# Altium PCB PCB1.PcbDoc (part 1 of 2) (continued)
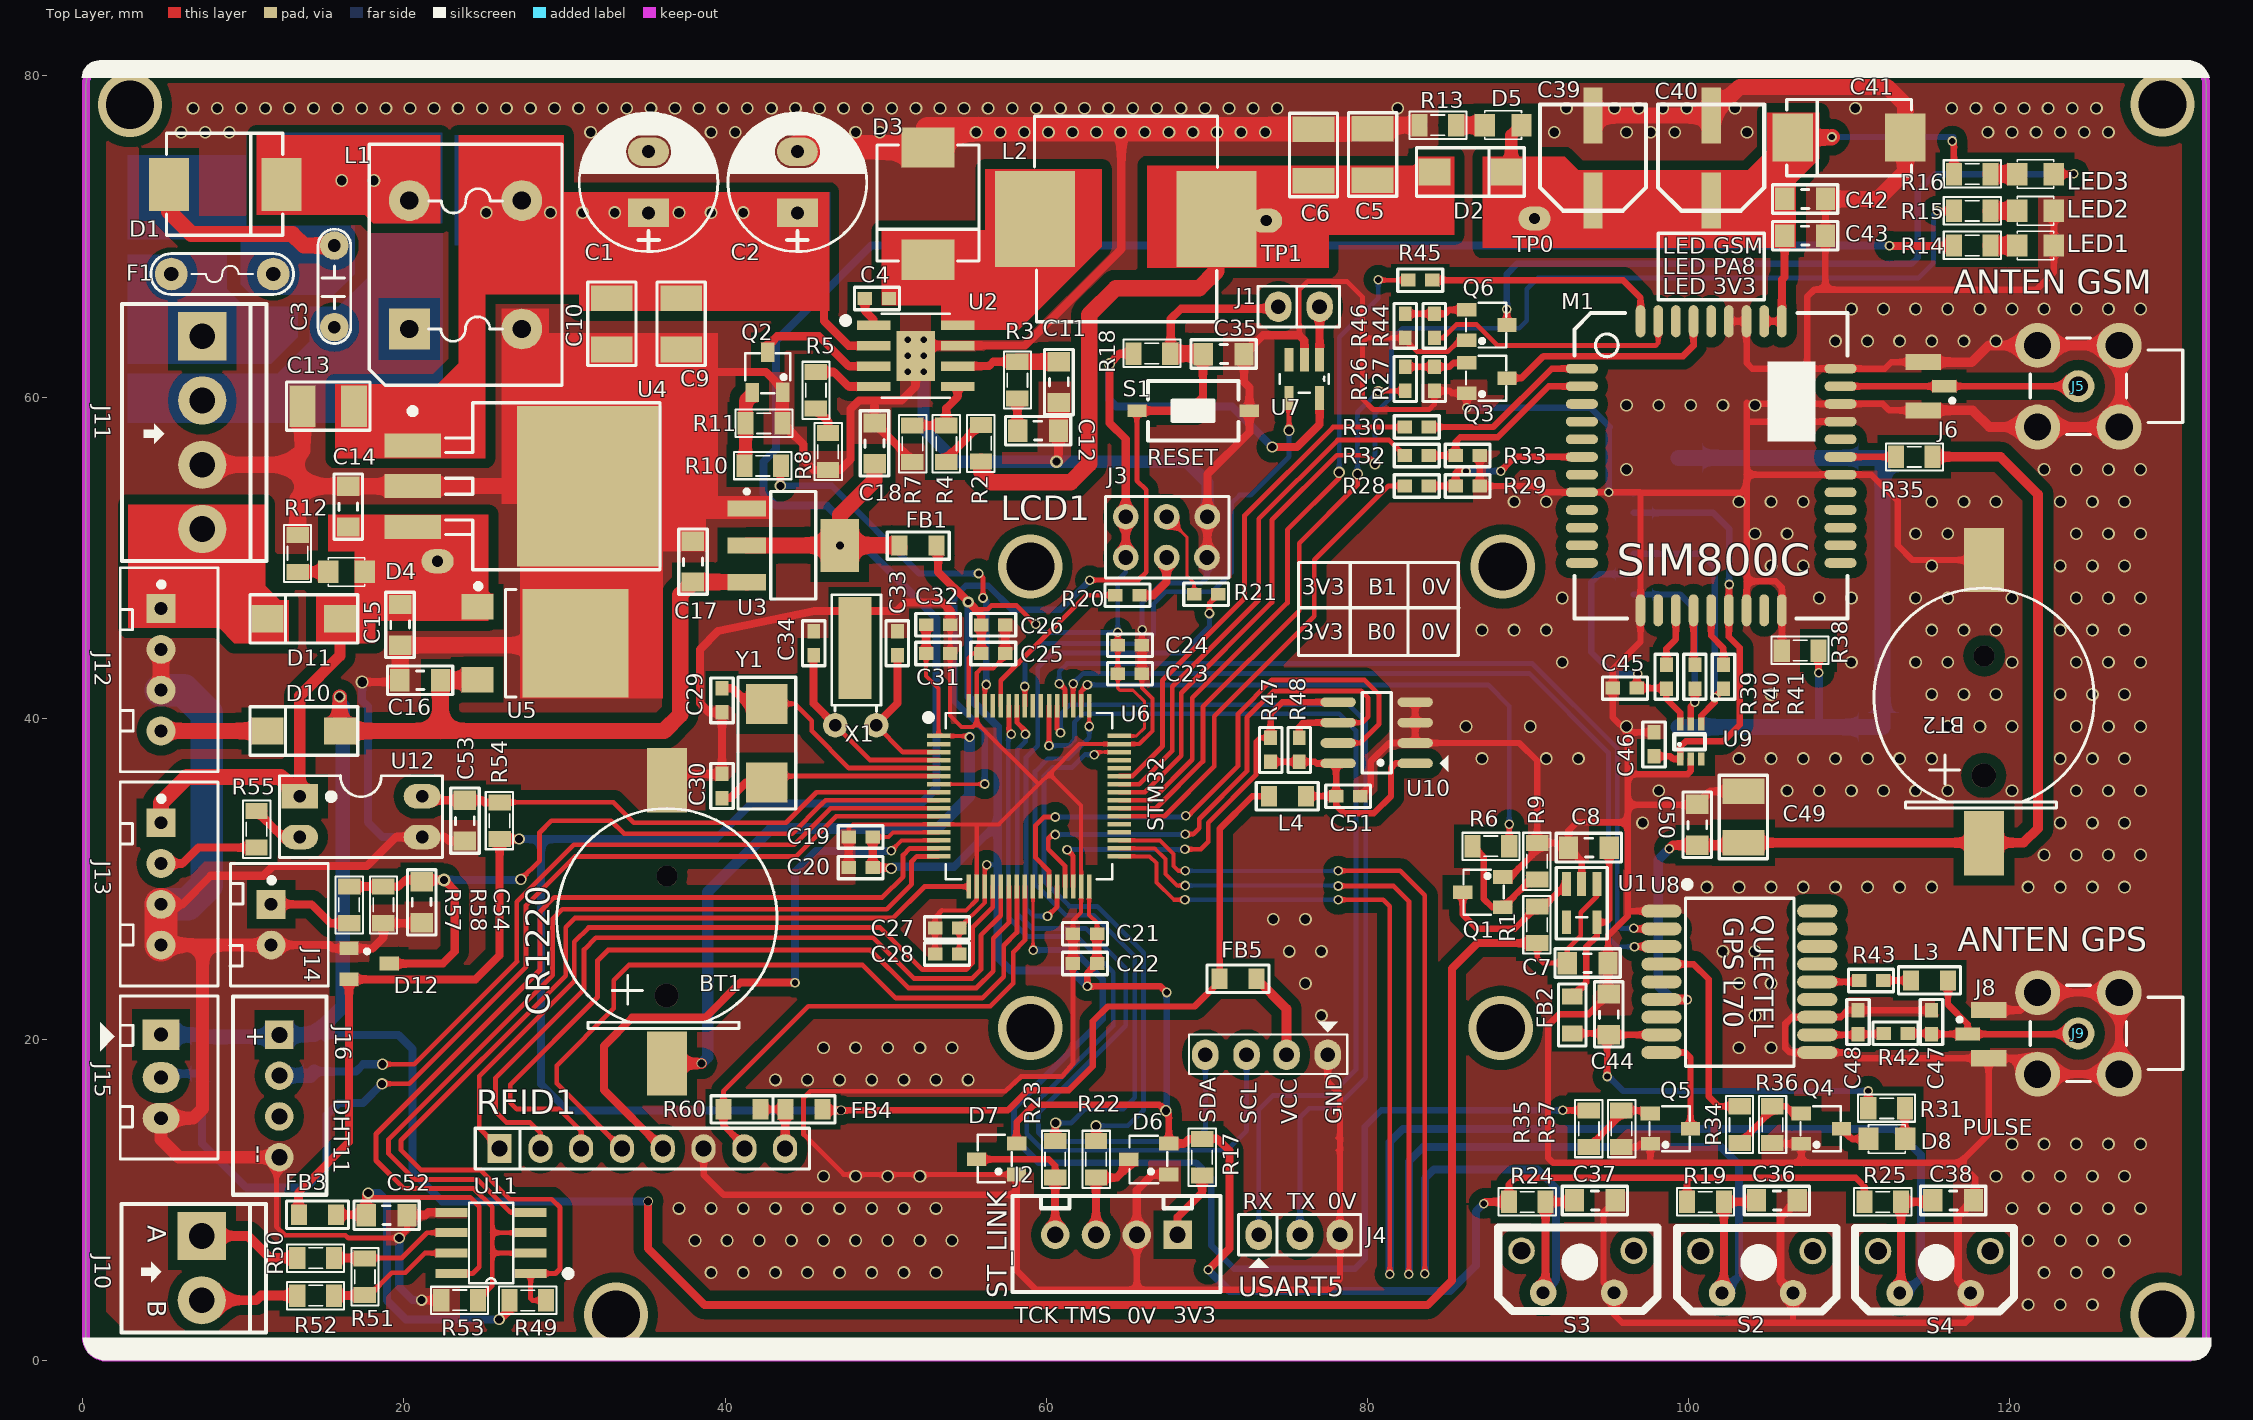
[diagram p0: Top Layer view]
## Components (designator, comment, footprint, x,y, rotation, side; value= is the part's Value field where it differs from the comment) (continued)

## Footprints (in the part's own frame and the unit in brackets; to place one, negate y for a bottom-side part, rotate by r counter-clockwise, add the part's x,y. Pads: shape width x height; smd on the part's side, far side on the other; paste and mask are expansions set on the pad)
ABM7_v1_1_BIG [mm]
  rect 2.5x2.6 smd: 1(-2.45,0) 2(2.45,0)
  silkscreen extent -4.1,-1.8 4.1,1.8, body extent -3.1,-1.85 3.1,1.85, height 1.45
Antenna-IPEX [mm]
  rect 0.8x1.5 smd: 1(0,-1.3)
  rect 1x2.2 smd: 2(-1.5,0) 2(1.5,0)
  silkscreen extent -1.02,-1.92 -0.78,-1.68, body extent -1.5,-1.55 1.5,1.55, height 1.25
Antenna-MCX5.08-H5 [mm]
  round 2 hole 1.2: 1(0,0)
  round 2.8 hole 1.7: 2(-2.54,2.54) 2(-2.54,-2.54) 2(2.54,2.54) 2(2.54,-2.54)
  silkscreen extent -6.5,-3 3,3, body extent -11.6,-3.5 3.5,3.5, height 9.86
"BUTTON NGHIENG" [mil] "BUTTON NGHIENG"
  round 65 hole 43.31: 0(-123,93) 0(152,93)
  round 65 hole 31.5: 1(-70,-10) 2(104,-10)
  silkscreen extent -180,-55 210,150, body extent -150,-348 180,200, height 494
"C0603 SMT" [mm]
  rect 0.9x0.8 smd: 1(-0.75,0) 2(0.75,0)
  silkscreen extent -1.4,-0.7 1.4,0.7, body extent -0.8,-0.42 0.8,0.44, height 0.95
C0805 [mm]
  rect 1x1.27 smd: 1(0,0) 2(2.3,0)
  silkscreen extent -0.78,-0.85 3.08,0.85, body extent 0.14,-0.62 2.14,0.63, height 0.6
C_7343_40 [mm]
  rect 2.5x3 smd: 1(0,0) 2(7,0)
  silkscreen extent -0.38,-2.39 7.39,2.36, body extent -0.3,-2.3 7.3,2.3, height 4
C_Alu_6.3x7.7 [mm]
  rect 1.2x3.5 smd: 1(0,0) 2(0,-5.3)
  silkscreen extent -3.3,-5.97 3.3,0.64, body extent -3.3,-6.17 3.3,0.83, height 3.91
CAP_0805 [mm]
  rect 1.2x1.4 smd: 1(-1.27,-0.025) 2(1.27,-0.025)
  silkscreen extent -2.03,-0.91 2.03,0.86, body extent -1.01,-0.66 1.01,0.61, height 0.61
CN2 [mil]
  round 70 hole 31: 1(0,0) 2(200,0)
  silkscreen extent -40,-40 240,40, body extent -54,-44 260,55, height 407
CON_2.54mm_2 [mm]
  rect 1.8x1.8 hole 0.8: 1(0,0)
  round 1.8 hole 0.8: 2(2.54,0)
  silkscreen extent -2.54,-2.57 5.08,3.56, body extent -2.45,-2.2 5.05,3.55, height 7
CON_2.54mm_4 [mm]
  rect 1.8x1.8 hole 0.8: 1(0,0)
  round 1.8 hole 0.8: 2(2.54,0) 3(5.08,0) 4(7.62,0)
  silkscreen extent -2.54,-2.54 10.16,3.56, body extent -2.4,-2.25 10,3.5, height 7
CON_4P [mil]
  rect 70x70 hole 39.37 unplated: 1(0,0)
  round 70 hole 39.37 unplated: 2(100,0) 3(200,0)
  round 70 hole 39.37 unplated mask+4: 4(300,0)
  silkscreen extent -105,-95 405,140, body extent -96,-90 396,134, height 276
CP1.5/3.4 [mil] "Tu hoa 220->470uF,16V, 470uF/16V,25V"
  rect 70x100 hole 32: 1(0,0)
  oval 70x100 hole 32: 2(150,0)
  silkscreen extent -95,-170 245,170, body extent -85,-157 230,157, height 446
"CR1220 SMD" [mm] "CR1220  HOLDER SMD"
  rect 2.5x4 smd: 1(7.722,-1.245) 2(7.722,16.383)
  silkscreen extent 0.87,0.94 14.58,14.63, body extent 0.34,-2.31 15.09,16.89, height 4.55
DDA8_3P1X2P4-M [mm]
  rect 2.083x0.584 smd: 1(-2.616,1.905) 2(-2.616,0.635) 3(-2.616,-0.635) 4(-2.616,-1.905) 5(2.616,-1.905) 6(2.616,-0.635) 7(2.616,0.635) 8(2.616,1.905)
  round 0.8 hole 0.4: 9(-0.5,-1) 9(-0.5,0) 9(-0.5,1) 9(0.5,-1) 9(0.5,0) 9(0.5,1)
  rect 2.4x3.1 smd: 9(0,0)
  silkscreen extent -2.12,-2.62 2.12,2.62, body extent -3.1,-2.49 3.1,2.49, height 1.68
DHT11 [mil]
  rect 70x70 hole 39.37 unplated: 1(0,0)
  round 70 hole 39.37 unplated: 2(100,0) 3(200,0)
  round 70 hole 39.37 unplated mask+4: 4(300,0)
  silkscreen extent -94,-114 392,116, body extent -87,-107 385,110, height 611
DIP4/W0.3 [mil]
  rect 60x90 hole 31: 1(0,0)
  oval 60x90 hole 31: 2(100,0) 3(100,300) 4(0,300)
  silkscreen extent -50,-50 150,350, body extent -59,-10 159,305, height 170
"DO-214AB SMA" [mm]
  rect 2x1.7 smd: 1(-0.092,0) 2(4.408,0)
  silkscreen extent -1.2,-1.5 5.5,1.51, body extent -0.37,-1.35 4.63,1.35, height 2.28
"DO-214AB SMC" [mm]
  rect 2.5x3.3 smd: 1(-0.092,0) 2(6.9,0)
  silkscreen extent -0.25,-3.17 6.98,3.17, body extent -0.7,-3.2 7.43,3.1, height 2.67
FUSE2 [mil]
  round 80 hole 35: 1(0,0) 2(250,0)
  silkscreen extent -50,-50 300,50
"GPS L70" [mm]
  oval 2.5x0.8 smd: 1(0,0) 2(0,-1.1) 3(0,-2.2) 4(0,-3.3) 5(0,-4.4) 6(0,-5.5) 7(0,-6.6) 8(0,-7.7) 9(0,-8.8) 10(9.7,-8.8) 11(9.7,-7.7) 12(9.7,-6.6) 13(9.7,-5.5) 14(9.7,-4.4) 15(9.7,-3.3) 16(9.7,-2.2) 17(9.7,-1.1) 18(9.7,0)
  silkscreen extent 1.5,-9.65 8.25,0.8, body extent 0,-9.45 9.7,0.65, height 2.52
Header3 [mil] "CON 3"
  rect 75x90 hole 34: 1(-5,0)
  oval 75x90 hole 34: 2(100,0) 3(200,0)
  silkscreen extent -100,-150 300,140, body extent -95,-90 295,136, height 276
Hed2V_3.96 [mm]
  rect 3x3 hole 1.6 mask+0.102: 1(0,0)
  round 3 hole 1.6 mask+0.102: 2(4,0)
  silkscreen extent -2,-5 6,4, body extent -2,-4.67 5.92,4.93, height 13.9
Hed4V_3.96 [mm]
  rect 3x3 hole 1.6 mask+0.102: 1(0,0)
  round 3 hole 1.6 mask+0.102: 2(4,0) 3(8,0) 4(12,0)
  silkscreen extent -2,-5 14,4, body extent -1.93,-4.67 13.91,4.93, height 13.9
JP2 [mil]
  oval 65x75 hole 36: 1(0,0) 2(101,0)
  silkscreen extent -50,-50 150,50, body extent -48,-50 148,48, height 323
JP3 [mil] "Jumper 3"
  oval 65x75 hole 36: 1(-100,0) 2(1,0) 3(99,0)
  silkscreen extent -150,-81 150,50, body extent -150,-60 150,55, height 355
JP3x2 [mm]
  round 1.6 hole 0.914: 1(-2.54,-1.27) 2(0,-1.27) 3(2.515,-1.27) 4(-2.54,1.27) 5(0,1.27) 6(2.54,1.27)
  silkscreen extent -3.81,-2.54 3.89,2.54, body extent -3.81,-2.54 3.81,2.54, height 8.52
"L01 SMD 12*12*6" [mm]
  rect 5x6 smd: 1(-5.65,0) 2(5.65,0)
  silkscreen extent -5.69,-6.4 5.71,6.4, body extent -6.9,-6.4 6.9,6.4, height 7.5
"L2 UF9.8" [mm]
  rect 2.54x2.54 hole 1.143: 1(0,0)
  round 2.54 hole 1.143: 2(7,0) 3(7,8) 4(0,8)
  silkscreen extent -2.5,-3.5 9.5,11.5
LED-0805-Green [mil]
  rect 50x55 smd: 1(0,0) 2(90,0)
  silkscreen extent 0,-35 90,35, body extent 5,-25 85,25, height 43
LED-0805-Red [mil]
  rect 50x55 smd: 1(0,0) 2(90,0)
  silkscreen extent 0,-35 90,35, body extent 5,-25 85,25, height 43
LED-0805-Yellow [mil]
  rect 50x55 smd: 1(0,0) 2(90,0)
  silkscreen extent 0,-35 90,35, body extent 5,-25 85,25, height 43
LQFP-64 [mil]
  rect 58x11 smd: 1(-221.5,147.64) 2(-221.5,127.95) 3(-221.5,108.27) 4(-221.5,88.58) 5(-221.5,68.9) 6(-221.5,49.21) 7(-221.5,29.53) 8(-221.5,9.84) 9(-221.5,-9.84) 10(-221.5,-29.53) 11(-221.5,-49.21) 12(-221.5,-68.9) 13(-221.5,-88.58) 14(-221.5,-108.27) 15(-221.5,-127.95) 16(-221.5,-147.64) 33(221.5,-147.64) 34(221.5,-127.95) 35(221.5,-108.27) 36(221.5,-88.58) 37(221.5,-68.9) 38(221.5,-49.21) 39(221.5,-29.53) 40(221.5,-9.84) 41(221.5,9.84) 42(221.5,29.53) 43(221.5,49.21) 44(221.5,68.9) 45(221.5,88.58) 46(221.5,108.27) 47(221.5,127.95) 48(221.5,147.64)
  rect 11x58 smd: 17(-147.64,-221.5) 18(-127.95,-221.5) 19(-108.27,-221.5) 20(-88.58,-221.5) 21(-68.9,-221.5) 22(-49.21,-221.5) 23(-29.53,-221.5) 24(-9.84,-221.5) 25(9.84,-221.5) 26(29.53,-221.5) 27(49.21,-221.5) 28(68.9,-221.5) 29(88.58,-221.5) 30(108.27,-221.5) 31(127.95,-221.5) 32(147.64,-221.5) 49(147.64,221.5) 50(127.95,221.5) 51(108.27,221.5) 52(88.58,221.5) 53(68.9,221.5) 54(49.21,221.5) 55(29.53,221.5) 56(9.84,221.5) 57(-9.84,221.5) 58(-29.53,221.5) 59(-49.21,221.5) 60(-68.9,221.5) 61(-88.58,221.5) 62(-108.27,221.5) 63(-127.95,221.5) 64(-147.64,221.5)
  silkscreen extent -204,-204 204,204, body extent -236,-236 236,236, height 63
MICRO_SIM_HOLDER [mm]
  rect 0.8x2.3 smd: 1(14.605,0) 2(13.335,0) 3(12.065,0) 4(10.795,0) 5(9.525,0) 6(8.255,0)
  rect 1.8x3 smd: 7(0,2.794) 7(0,15.494) 7(16.764,2.794) 7(16.764,15.494)
  silkscreen extent 0,0 16.51,17.53, body extent 0.03,-0.05 16.43,17.15, height 1.35
"OLED 1.3" [mil]
  oval 65x75 hole 36: 1(-155,590) 2(-54,590) 3(44,590) 4(145,590)
  silkscreen extent -180,509 -130,534, body extent -661,-687 657,640, height 553
"R0603 -SMT" [mm]
  rect 0.9x0.8 smd: 1(-0.8,0) 2(0.7,0)
  silkscreen extent -1.45,-0.7 1.35,0.7, body extent -0.85,-0.4 0.85,0.4, height 0.56
R0805 [mm]
  rect 1x1.27 smd: 1(-1.125,-0.011) 2(1.175,-0.011)
  silkscreen extent -1.91,-0.86 1.96,0.84, body extent -1.1,-0.69 1.2,0.66, height 0.76
RES-SMD-0805 [mil]
  rect 39.37x55 smd: 1(-45,0) 2(45,0)
  silkscreen extent -70,-34 70,33, body extent -39,-25 39,25, height 31
"RFID RC522" [mm] "RFID RC522"
  rect 1.5x1.8 hole 1: 1(-8.89,0)
  oval 1.5x1.8 hole 1: 2(-6.35,0) 3(-3.81,0) 4(-1.27,0) 5(1.27,0) 6(3.81,0) 7(6.35,0) 8(8.89,0)
  silkscreen extent -10.41,-1.27 10.41,1.27, body extent -19.43,-2.03 20.57,57.97, height 14.74
SIM800C [mm]
  oval 2x0.6 smd: 1(-8.05,6.05) 2(-8.05,4.95) 3(-8.05,3.85) 4(-8.05,2.75) 5(-8.05,1.65) 6(-8.05,0.55) 7(-8.05,-0.55) 8(-8.05,-1.65) 9(-8.05,-2.75) 10(-8.05,-3.85) 11(-8.05,-4.95) 12(-8.05,-6.05) 22(8.05,-6.05) 23(8.05,-4.95) 24(8.05,-3.85) 25(8.05,-2.75) 26(8.05,-1.65) 27(8.05,-0.55) 28(8.05,0.55) 29(8.05,1.65) 30(8.05,2.75) 31(8.05,3.85) 32(8.05,4.95) 33(8.05,6.05)
  oval 0.6x2 smd: 13(-4.4,-9) 14(-3.3,-9) 15(-2.2,-9) 16(-1.1,-9) 17(0,-9) 18(1.1,-9) 19(2.2,-9) 20(3.3,-9) 21(4.4,-9) 34(4.4,9) 35(3.3,9) 36(2.2,9) 37(1.1,9) 38(0,9) 39(-1.1,9) 40(-2.2,9) 41(-3.3,9) 42(-4.4,9)
  silkscreen extent -8.5,-9.5 8.5,9.5, body extent -7.85,-8.8 7.85,8.8, height 1.9
SM-1210 [mm]
  rect 1.6x2.6 smd: 1(0,0) 2(3.2,0)
  silkscreen extent -1,-1.5 4.2,1.5, body extent 0,-1.25 3.2,1.25, height 2.5
SN75176A [mil]
  rect 78x22 smd: 1(0,0) 2(0,-50) 3(0,-100) 4(0,-150) 5(194,-150) 6(194,-100) 7(194,-50) 8(194,0)
  silkscreen extent 43,-174 151,24, body extent -18,-170 218,22, height 65
SO-8 [mm] "8-Pin Small Outline Integrated Circuit 1.27 mm Pitch, IPC Medium Density"
  oval 2.2x0.6 smd: 1(-2.4,1.905) 2(-2.4,0.635) 3(-2.4,-0.635) 4(-2.4,-1.905) 5(2.4,-1.905) 6(2.4,-0.635) 7(2.4,0.635) 8(2.4,1.905)
  silkscreen extent -4.44,-2.5 0.9,2.5, body extent -2.89,-2.43 3.15,2.59, height 1.6
SOT23 [mm] "SOT 23 _ 1-3-2"
  rect 0.85x1.2 smd: 1(-0.94,-1.245) 2(0.985,-1.25) 3(0.005,1.25)
  silkscreen extent -0.88,-0.25 -0.64,0, body extent -1.47,-1.33 1.53,1.17, height 1.06
SOT23B [mm]
  rect 0.85x1.2 smd: 1(0.94,-1.245) 2(0,1.25) 3(-0.95,-1.25)
  silkscreen extent -1.4,-1.3 1.4,1.2, body extent -1.5,-1.3 1.5,1.2, height 1.06
SOT223-4N [mm]
  rect 2.4x1 smd: 1(-2.9,2.3) 2(-2.9,0) 3(-2.9,-2.3)
  rect 2.4x3.3 smd: 4(2.9,0)
  silkscreen extent -3.02,-3.35 1.4,3.47, body extent -3.39,-3.27 3.5,3.23, height 1.72
SOT_363_6 [mm]
  rect 0.8x0.4 smd: 1(-2.179,0) 2(-2.179,-0.65) 3(-2.179,-1.3) 4(0,-1.3) 5(0,-0.65) 6(0,0)
  silkscreen extent -1.57,-1.52 -0.63,0.38, body extent -2.29,-1.76 0.11,0.44, height 1.1
SW-SMD [mm] "Switch SMD type"
  rect 1.2x0.8 smd: 1(-3.5,0) 2(3.5,0)
  silkscreen extent -2.82,-1.85 2.82,1.85, body extent -3.05,-1.85 3.05,1.85, height 2.5
TLV70233_3.3V [mil]
  rect 58x22 smd: 1(0,0) 2(0,-37.4) 3(0,-74.8) 4(94,-74.8) 5(94,0)
  silkscreen extent -40,-100 135,25, body extent -10,-95 102,20, height 41
TO252-3L [mm]
  rect 2x1.6 smd: 1(-4.3,2.28) 3(-4.3,-2.28)
  rect 6.6x6.75 smd: 2(1.8,0)
  silkscreen extent -4.37,-3.35 -1.9,3.67, body extent -4.91,-3.27 5.03,3.27, height 2.34
TO-263-4 [mm]
  rect 3.5x1.5 smd: 1(0,-2.54) 2(0,0) 3(0,2.54)
  rect 9x10 smd: 4(-11,0)
  silkscreen extent -15.4,-5.2 0.12,5.2, body extent -13.97,-5 1.7,5, height 4.78
TPS3828 [mil]
  rect 58x22 smd: 1(-2,37.4) 2(-2,0) 3(-2,-37.4) 4(92,-37.4) 5(92,37.4)
  silkscreen extent 33,-60 80,60, body extent -16,-58 96,57, height 50
XT32kn [mil]
  round 60 hole 30: 1(0,0) 2(0,100)
  rect 250x80 smd: 3(190,52)
  silkscreen extent 34,-12 320,109, body extent -10,5 319,95, height 77

## Part data
BT1 BT2: "Battery 3VDC"
C1 C2: library part CP3, "Cap 100uF/35V - 470uF/16V", Description 1="1000uF/6,3V - 470uF/16V - 330uF - 25V", Description 2="220uF/35V - 100uF/50V - 63V - 4,7uF/200V", Description 3="22uF => 33uF100V - 3,3uF => 4,7uF/250V", Description 4="2,2uF =>3,3uF/350 - 2,2uF/400V - 1uF/450V"
C3: library part CN, Designed by=VanDungEvn
C4 C5 C6 C7 C8 C11 C12 C14 C15 C16 C17 C18: library part CM_1, "Cap SMD"
C9 C10 C13: library part CM, "CAP CER 2.2UF 100V X7R 1210  445-4498-2-ND"
C19 C20 C21 C22 C23 C24 C25 C26 C27 C28 C29 C30 C31 C32 C33 C34 C35 C36 C37 C38 C42 C43 C44 C45 C46 C47 C48 C49 C50 C51 C52 C54: library part CM, "Cap SMD"
C39 C40: library part C-Alu-Tantalum, "Cap Aluminum", Description 1="10 => 220uF/6,3V/10V - 10uF => 100uF/16V", Description 2="0,1uF => 33uF/50V - 10uF => 22uF/63V", Description 3="0,47uF => 10uF/100V"
C41: library part C-Alu-Tantalum, "Cap Tantalum 7343", Description 1="10 => 220uF/6,3V/10V - 10uF => 100uF/16V", Description 2="0,1uF => 33uF/50V - 10uF => 22uF/63V", Description 3="0,47uF => 10uF/100V"
C53: library part CapSMD, "Capacitor", LatestRevisionDate=17-Jul-2002, LatestRevisionNote="Re-released for DXP Platform.", PackageReference=RAD-0.3, Published=8-Jun-2000, Publisher="Altium Limited"
D1 D3: library part D5A, "DIODE SCHOTTKY 60V 5A SMC"
D2: library part D1A, "DIODE SCHOTTKY 40V 3A SMC"
D4 D5 D8: library part LED, "LED Single colour Green and Red"
D6 D7 D12: "ZENER, SOT23,", Current - Average Rectified (Io) (per Diode)=200mA, Current - Reverse Leakage @ Vr="2.5µA @ 70V", Manufacturer="ON Semiconductor / Fairchild", Manufacturer Part Number=BAV99, Package / Case="TO-236-3, SC-59, SOT-23-3", Standard Package=1, Supplier Device Package="SOT-23-3 (TO-236)", Supplier Part Number 1=BAV99FSCT-ND, Voltage - DC Reverse (Vr) (Max)=70V, Voltage - Forward (Vf) (Max) @ If="1.25V @ 150mA", .CheckPCB=LeKhaLinh, .CheckSCH=LeKhaLinh, .Creator=LeKhaLinh, Category="Discrete Semiconductor Products", ComponentLink1Description=https://www.fairchildsemi.com/package-drawings/MA/MA03B.pdf?src-supplier=Digi-Key, ComponentLink1URL=https://www.fairchildsemi.com/package-drawings/MA/MA03B.pdf?src-supplier=Digi-Key, ComponentLink2Description=http://www.farnell.com/datasheets/1822674.pdf?src-supplier=Element14, ComponentLink2URL=http://www.farnell.com/datasheets/1822674.pdf?src-supplier=Element14, ComponentLink3Description=http://www.mouser.com/ds/2/149/BAV99-22788.pdf?src-supplier=Mouser, ComponentLink3URL=http://www.mouser.com/ds/2/149/BAV99-22788.pdf?src-supplier=Mouser, ComponentLink4Description=http://www.fairchildsemi.com/ds/BA/BAV99.pdf?src-supplier=Avnet+Europe, ComponentLink4URL=http://www.fairchildsemi.com/ds/BA/BAV99.pdf?src-supplier=Avnet+Europe, ComponentLink5Description=https://www.verical.com/server-webapp/html/getDatasheet?partID=110217&src-supplier=Verical, ComponentLink5URL=https://www.verical.com/server-webapp/html/getDatasheet?partID=110217&src-supplier=Verical, ComponentLink6Description=http://www.farnell.com/datasheets/2304409.pdf?src-supplier=Element14, ComponentLink6URL=http://www.farnell.com/datasheets/2304409.pdf?src-supplier=Element14, Diode Configuration="1 Pair Series Connection", Diode Type=Standard, Family="Diodes, Rectifiers - Arrays", Mounting Type="Surface Mount", Online Catalog="Diode Array", Other Drawings="Diode Circuit", Other Names=BAV99FSDKR, Packaging=Digi-Reel®, PCN Assembly/Origin="SOT23 Manufacturing Source 31/May2013 /  / Assembly Site Addition 20/Jul/2015", PCN Design/Specification="Mold Compound 12/Dec/2007", PCN Packaging="Binary Year Code Marking 15/Jan/2014", Pricing 1="1=0.26, 10=0.21, 100=0.1115, 500=0.0734, 1000=0.0499 (USD)", Pricing 3="1=0.1933, 10=0.1873, 25=0.1555, 100=0.0806, 250=0.0724, 500=0.0523, 1000=0.0428, 3000=0.0342 (USD)", Reverse Recovery Time (trr)=6ns, Speed="Small Signal =", Stock 1=1165, Stock 2=0, Stock 3=5700, Supplier 1=Digi-Key, Supplier 2=Mouser, Supplier 3=Arrow, Supplier Part Number 2=512-BAV99, Supplier Part Number 3=BAV99
D10 D11: library part D1A, "Diode 1A"
F1: library part Fuse, "PTC RESET FUSE 60V 3A RADIAL", Designed by=VanDungEvn
FB1 FB2 FB3 FB4 FB5: library part "Ferrite Bead", "Ferrite Bead"
J1: library part "JP 2", "Jumper 2"
J2: library part Header4, "Header IDC, 4 x 1 Pin Vertical 2.54mm Pitch (Non-Boxed, Male)", Manufacturer="W¨¹rth Elektronik eiSos GmbH", partNo=613002143121, ComponentLink1 Description=Manufacturer, ComponentLink1URL=http://www.we-online.com, ComponentLink2 Description=Datasheet, ComponentLink2URL=http://katalog.we-online.de/em/datasheet/6130xx143121.pdf, Created by="Karrer Zheng", Created Date="29 March 2013", NoPins=02
J3: library part JP3x2, "Connector 3x2"
J4: library part JP3, "Jumper 3"
J5 J6 J8 J9: library part ANTEN
J10: library part Hed2, "Header 2 (Green)"
J11: library part Hed4, "Header 4 (Green)"
J12 J13: library part Con4, "Connector 4"
J14: library part Con2, "Connector 2"
J15: "Header IDC, 3 x 1 Pin Vertical 2.54mm Pitch (Non-Boxed, Male)", Manufacturer="W¨¹rth Elektronik eiSos GmbH", partNo=613002143121, ComponentLink1 Description=Manufacturer, ComponentLink1URL=http://www.we-online.com, ComponentLink2 Description=Datasheet, ComponentLink2URL=http://katalog.we-online.de/em/datasheet/6130xx143121.pdf, Created by="Karrer Zheng", Created Date="29 March 2013", NoPins=02
J16: Manufacturer="W¨¹rth Elektronik eiSos GmbH", partNo=613004143121, ComponentLink1 Description=Manufacturer, ComponentLink1URL=http://www.we-online.com, ComponentLink2 Description=Datasheet, ComponentLink2URL=http://katalog.we-online.de/em/datasheet/6130xx143121.pdf, Created by="Karrer Zheng", Created Date="29 March 2013", NoPins=04
L1: library part L2x220, "Inductor", Designed by=VanDungEvn
L2: library part L1, "FIXED IND 6.2UH 5.7A 22.4 MOHM"
L3: library part L1, "Inductor"
L4: library part "Ferrite Bead", "100uH 0805"
LED1 LED2 LED3: "LED Single colour Green and Red"
Q1 Q2 Q3 Q4 Q5 Q6: "NPN 600mW, ECB", =C2383
R1 R2 R3 R4 R5 R6 R7 R8 R9 R10 R11 R12 R13 R14 R15 R16 R17 R18 R19 R20 R21 R22 R23 R24 R25 R26 R27 R28 R29 R30 R31 R32 R33 R34 R35 R35 R36 R37 R38 R39 R40 R41 R42 R43 R44 R45 R46 R47 R48 R49 R50 R51 R52 R53 R54 R55 R56 R57 R58 R59 R60: library part RM, "Resistor SMD"
RFID1: library part "RFID RC522"
S1 S2 S3 S4: "Switch", LatestRevisionDate=17-Jul-2002, LatestRevisionNote="Re-released for DXP Platform.", PackageReference=SPST-2, Published=24-Mar-1999, Publisher="Altium Limited"
U1: library part TLV70233_3.3V
U2: "REG BUCK SPLIT RAIL 8SOPWRPAD", Built_By=EMA_UL_Team, C="Copyright (C) 2015 Accelerated Designs. All rights reserved", Manufacturer_Part_Number=TPS54360DDA, Vendor="TEXAS INSTRUMENTS"
U3: library part LM1117, "3v3"
U4: library part LM78xx_1, =LM7808
U5: library part LM78xx, "On ap +, from + 5 to + 24VDC", =LM7808
U6: "MCU 32BIT 256KB FLASH 64LQFP"
U9: "ESD Protection"
U10: library part AT24Cxx
U12: "Single Opto"
X1: library part XT32k, "Crystal 32,768kHz for timer real"
Y1: library part ABM7-16.000MHZ-D2Y-T, "CRYSTAL 16MHZ 18PF SMD", ESR (Equivalent Series Resistance)="50 Ohm", Frequency=16MHz, Frequency Stability=±30ppm, Frequency Tolerance=±20ppm, Load Capacitance=18pF, Manufacturer="Abracon LLC", Operating Mode=Fundamental, Operating Temperature="-40°C ~ 85°C", Package / Case=2-SMD, Ratings=-, Supplier Part Number 1=535-9840-1-ND, .Checked PCB=RF, .Checked SCH=RF, .Creator=MM, Category="Crystals and Oscillators", ComponentLink1Description=http://www.abracon.com/Resonators/abm7.pdf, ComponentLink1URL=http://www.abracon.com/Resonators/abm7.pdf, Height="0.055\" (1.40mm)", Manufacturer Part Number=ABM7-16.000MHZ-D2Y-T, Mounting Type="Surface Mount", Packaging="Cut Tape (CT)", Pricing 1="1=0.96, 10=0.847, 50=0.791, 100=0.7, 500=0.6615 (USD)", RoHS="RoHS Compliant", Size / Dimension="0.236\" L x 0.138\" W (6.00mm x 3.50mm)", Stock 1=5861, Supplier 1=Digi-Key, Type="MHz Crystal"

## Free pads (board coordinates)
  oval 2x1.5 hole 0.7: 2(22.098,49.784) 2(73.685,70.993) 2(90.399,71.12)

## Via types
v1: diameter 0.8, hole 0.6, Top Layer to Bottom Layer, 324 vias
v2: diameter 0.6, hole 0.4, Top Layer to Bottom Layer, 68 vias
v3: diameter 0.7, hole 0.5, Top Layer to Bottom Layer, 21 vias
v4: diameter 4, hole 3, Top Layer to Bottom Layer, 8 vias
v5: diameter 0.6, hole 0.5, Top Layer to Bottom Layer, 3 vias
v6: diameter 0.7, hole 0.4, Top Layer to Bottom Layer, 2 vias
v7: diameter 1.3, hole 1.3, Top Layer to Bottom Layer, 2 vias
v8: diameter 1.5, hole 1.5, Top Layer to Bottom Layer, 2 vias
v9: diameter 0.8, hole 0.5, Top Layer to Bottom Layer, 2 vias

## Nets (pads, with @x,y where several pads share a name; then routed paths per layer and width w, separated by ;. In a path a pad name is that pad's centre, name@x,y a point inside that pad or via, vN(x,y) a via of type N, cw(c..) or ccw(c..) an arc to the next point about the centre after c; other vN are vias at no path point)
+3V3: C18.2 D12.2 FB1.1 FB3.1 FB4.1 FB5.1 L4.1 R14.2 R54.2 U3.2 U3.4 | length 266.3
  Top Layer w0.4: v5(47.219,15.596) 57.607,15.596 58.852,16.84 61.392,16.84 62.89,18.339 62.89,21.133 63.819,22.062 69.23,22.062 70.808,23.64 70.808,33.14 72.824,35.156 L4.1@73.856,35.156
  Top Layer w0.5: FB3.1@13.473,9.093 13.437,9.13 13.437,10.49 16.581,13.634 D12.2@16.581,23.754 24.465,23.754 25.959,25.248 R54.2@25.959,32.487 27.102,32.487 v3(27.178,32.487) ; FB4.1@46.057,15.657 46.119,15.596 v5(47.219,15.596) ; v2(112.497,69.418) 116.332,69.418 116.408,69.342 R14.2@116.51,69.444
  Top Layer w1: U3.2@41.347,50.775 v3(47.147,50.775) ; C18.2@49.301,55.855 49.301,54.813 47.147,52.659 v3(47.147,50.775) ; FB1.1@50.869,50.637 50.731,50.775 v3(47.147,50.775)
  Bottom Layer w0.5: v3(27.178,32.487) 28.55,32.487 ; v5(47.219,15.596) 30.175,15.596 28.55,17.221 28.55,32.487 ; v2(112.497,69.418) 112.471,69.444 49.098,69.444 43.18,63.525 43.18,56.769 42.393,55.982 42.393,54.026 43.155,53.264 46.33,53.264 47.147,52.447 v3(47.147,50.775) 48.616,50.775 53.162,46.228 53.162,35.662 52.197,34.696 41.631,34.696 39.421,32.487 28.55,32.487
+3V3_485: C52.2 FB3.2 R49.2 U11.8 | length 32.7
  Top Layer w0.3: v3@17.653,10.312 v3(17.78,10.439) 18.059,10.16 19.414,10.16 19.426,10.172 24.126,10.172 24.689,9.609 24.689,5.842 24.282,5.436 U11.8@22.962,5.436
  Top Layer w0.5: FB3.2@15.773,9.093 17.628,9.093 C52.2@17.653,9.068 v3@17.653,10.312 ; v3(25.933,2.565) 26.568,3.2 R49.2@26.568,3.759
  Bottom Layer w0.5: v3(17.78,10.439) 18.44,10.439 18.948,9.931 18.948,3.747 20.13,2.565 v3(25.933,2.565)
+3V3_EEPROM: C51.2 L4.2 R47.1 R48.1 U10.1 U10.8 | length 16.2
  Top Layer w0.4: R47.1@73.965,37.288 R48.1@75.743,37.288 76.708,37.288 76.797,37.199 U10.8@78.169,37.199 78.041,37.071 C51.2@78.041,35.156 ; L4.2@76.156,35.156 C51.2@78.041,35.156 ; U10.1@82.969,37.199 81.75,37.199 81.458,36.906 81.458,35.154 80.391,34.087 78.537,34.087 78.041,34.583 C51.2@78.041,35.156
+3V3_GPS: C8.2 FB2.1 U1.5 | length 10.5
  Top Layer w0.4: FB2.1@92.75,22.689 93.624,23.564 93.624,25.781 94.285,26.441 U1.5@94.285,27.305 94.855,27.305 95.047,27.497 C8.2@95.047,31.953
+3V3_LCD: FB5.2 LCD1.2 | length 5.5
  Top Layer w0.6: FB5.2@73.083,23.789 74.955,21.916 LCD1.2@74.955,19.05
+3V3_MCU: C19.2 C20.2 C21.2 C22.2 C23.2 C24.2 C25.2 C26.2 C27.2 C28.2 D6.2 D7.2 FB1.2 J3.1 J3.4 R17.2 R18.2 R19.2 R24.2 R25.2 U6.13 U6.19 U6.32 U6.48 U6.64 U7.5 | length 214.4
  Top Layer w0.2: C23.2@64.452,42.78 64.452,41.885 64.579,41.758 65.396,41.758 66.118,41.035 66.118,39.417 65.605,38.904 U6.48@64.543,38.904
  Top Layer w0.254: C19.2@49.188,32.614 50.165,32.614 50.455,32.904 U6.13@53.291,32.904 ; C28.2@54.573,25.324 C27.2@54.573,26.944 56.167,28.538 U6.19@56.167,29.527 56.167,30.767 v2(56.286,30.886) ; U6.64@55.167,40.78 55.167,43.771 55.439,44.044 C25.2@55.943,44.044 ; U6.32@62.667,29.527 62.667,27.771 63.158,27.28 C21.2@63.158,26.589
  Top Layer w0.3: v6(55.143,47.244) 55.194,47.244 55.644,46.794 56.349,46.794 56.58,47.024 58.157,47.024 59.309,45.872 v2(59.334,45.872) ; C23.2@64.452,42.78 C24.2@64.452,44.558 v2(64.452,45.352)
  Top Layer w0.4: D7.2@58.151,13.528 58.151,14.87 59.233,15.951 67.031,15.951 v3@67.424,15.557 ; C22.2@63.158,24.74 62.56,24.142 v2(62.56,23.317) 67.107,23.317 v2(67.488,22.936) ; D6.2@67.626,13.528 v3@67.626,15.356 ; R24.2@88.798,9.895 88.798,10.973 89.23,11.405 99.924,11.405 ; R19.2@99.898,9.895 99.898,11.379 99.924,11.405 ; R25.2@110.934,9.895 110.934,10.859 110.388,11.405 99.924,11.405
  Top Layer w0.5: D6.2@67.626,13.528 68.595,13.528 68.885,13.818 R17.2@69.698,13.818 70.663,13.818 71.399,13.081 71.399,6.985 v2(70.079,5.664) ; v2(87.224,9.779) 87.34,9.895 R24.2@88.798,9.895
  Top Layer w0.508: C19.2@49.188,32.614 C20.2@49.188,30.709 50.292,30.709 v3(50.343,30.658) ; FB1.2@53.264,51.029 53.264,49.124 v6(55.143,47.244) 55.943,46.445 C26.2@55.943,45.822 C25.2@55.943,44.044 ; C22.2@63.158,24.74 C21.2@63.158,26.589 ; J3.1@64.948,50.013 J3.4@64.948,52.553 64.948,57.379 63.932,58.395 v3(63.932,62.078) 64.567,62.713 R18.2@65.43,62.713 R18.2@65.456,62.713 ; v3(74.066,56.896) 75.616,56.896 77.013,58.293 U7.5@77.013,59.944
  Bottom Layer w0.254: v2(56.286,30.886) 56.947,30.886 56.972,30.912
  Bottom Layer w0.3: v2(59.334,45.872) 59.854,45.352 v2(64.452,45.352) 64.452,48.602 64.948,49.098 J3.1@64.948,50.013
  Bottom Layer w0.4: v3(67.437,15.57) 67.488,15.621 v2(67.488,22.936)
  Bottom Layer w0.5: v2(70.079,5.664) 71.399,4.343 85.141,4.343 86.741,5.944 86.741,9.296 v2(87.224,9.779)
  Bottom Layer w0.508: v3(50.343,30.658) 50.444,30.759 54.254,30.759 56.972,33.477 ; v6(55.143,47.244) 55.143,41.326 56.972,39.497 56.972,33.477 ; v2(62.56,23.317) 61.57,24.308 57.785,24.308 56.972,25.121 56.972,30.912 56.972,33.477 ; v3(63.932,62.078) 63.906,62.052 63.906,59.842 64.338,59.411 71.552,59.411 v3(74.066,56.896)
+3V3_RFID: FB4.2 R60.2 RFID1.8 | length 4
  Top Layer w0.4: R60.2@42.196,15.661 43.717,15.661 FB4.2@43.739,15.639
  Top Layer w0.5: RFID1.8@43.739,13.208 FB4.2@43.739,15.639
+4V2: C5.2 C6.2 D2.1 L2.2 pad.2@73.685,70.993 R2.2 | length 46.2
  Top Layer w1.016: R2.2@55.931,55.982 55.931,55.347 56.566,54.712 61.519,54.712 62.662,55.855 62.662,65.126 64.313,66.777 69.52,66.777 70.598,67.855 L2.2@70.598,71.095
  Top Layer w1.524: L2.2@70.598,71.095 76.632,71.095 C6.2@76.632,73.483 76.632,73.508 C5.2@80.315,73.508 84.16,73.508 D2.1@84.16,74.016
+4V_GSM: C39.1 C40.1 C41.1 C42.1 C43.1 D2.2 D5.1 M1.34 M1.35 pad.2@90.399,71.12 R16.2 | length 47.1
  Top Layer w0.4: M1.35@104.697,64.728 M1.34@105.797,64.728 ; C43.1@105.969,70.053 C42.1@105.969,72.339 ; v2(116.408,75.946) 116.51,75.844 R16.2@116.51,73.889
  Top Layer w0.5: M1.34@105.797,64.728 105.797,67.316 105.969,67.488 C43.1@105.969,70.053
  Top Layer w0.762: D2.2@88.66,74.016 88.951,74.016 88.951,76.302 D5.1@89.586,76.937
  Top Layer w1: D2.2@88.66,74.016 88.66,73.367 89.784,72.243 C39.1@94.031,72.243 C40.1@101.397,72.243 105.873,72.243 C42.1@105.969,72.339 105.969,73.711 106.477,74.219 C41.1@106.477,76.175 108.89,76.175 v2(108.915,76.2)
  Bottom Layer w0.4: v2(108.915,76.2) 116.459,76.2 116.408,76.149 v2(116.408,75.946)
+5V: C7.2 C16.2 C17.2 D10.1 J15.1 J16.1 R1.2 R56.2 R59.2 U1.1 U3.3 U5.3 | length 191.7
  Top Layer w0.3: R1.2@90.557,26.01 90.557,25.14 90.932,24.765 C7.2@92.431,24.765 92.431,25.629 93.269,26.467 93.269,27.915 94.285,28.931 U1.1@94.285,29.693
  Top Layer w0.5: v5(35.204,9.931) 35.204,6.985 38.71,3.48 83.744,3.48 85.268,5.004 85.268,24.435 86.843,26.01 R1.2@90.557,26.01
  Top Layer w0.9: J15.1@4.877,20.307 J15.1@5.017,20.168 ; J16.1@12.116,20.168 J16.1@12.243,20.295 ; v3(16.002,41.351) 16.002,39.233 D10.1@16.018,39.218
  Top Layer w1.016: D10.1@16.018,39.218 22.276,39.218 ; U5.3@24.58,42.399 24.554,42.373 C16.2@22.276,42.373 22.276,39.218 ; U3.3@41.347,48.475 41.333,48.489 C17.2@37.998,48.489 37.211,47.701 37.211,40.234 36.195,39.218 22.276,39.218
  Bottom Layer w0.5: R59.2@14.427,20.295 19.66,20.295 20.535,19.419 20.535,11.773 22.377,9.931 v5(35.204,9.931)
  Bottom Layer w0.9: J15.1@4.877,20.307 7.302,20.307 R56.2@7.442,20.168 12.116,20.168 J16.1@12.243,20.295 R59.2@14.427,20.295 16.205,22.073 16.205,40.742 16.002,40.945 v3(16.002,41.351)
+5V_OUTPUT: D10.2 J12.4 | length 6.6
  Top Layer w1: J12.4@4.877,39.218 D10.2@11.518,39.218
+12V: C14.2 C15.2 D4.1 D11.1 J13.1 pad.2@22.098,49.784 U4.3 U5.1 U12.1 | length 48.6
  Top Layer w0.7: U12.1@13.513,35.154 13.513,41.402 16.018,43.907 D11.1@16.018,46.203
  Top Layer w1: J13.1@4.877,33.503 4.877,34.747 6.477,36.347 12.319,36.347 U12.1@13.513,35.154 ; D11.1@16.018,46.203 17.577,46.203 18.466,47.092 C15.2@19.761,47.092 ; C14.2@16.535,51.918 U4.3@20.547,51.918 23.665,51.918 24.56,51.023 24.56,46.939 24.408,47.092 C15.2@19.761,47.092 ; D4.1@17.566,49.122 19.48,49.122 19.761,48.842 C15.2@19.761,47.092
+12V_OUTPUT: D11.2 J11.4 J12.1 | length 14.1
  Top Layer w1: J11.4@7.442,51.792 5.513,51.792 4.877,51.156 J12.1@4.877,46.838 8.814,46.838 9.449,46.203 D11.2@11.518,46.203
+VCC_GPS: C44.2 FB2.2 R31.2 U8.8 | length 25.9
  Top Layer w0.4: FB2.2@92.75,20.389 94.927,20.389 C44.2@95.021,20.295 ; v2(94.92,17.704) 94.92,20.193 C44.2@95.021,20.295 ; U8.8@98.301,20.297 98.299,20.295 C44.2@95.021,20.295 ; R31.2@111.176,15.723 v2(111.176,16.8)
  Bottom Layer w0.4: v2(94.92,17.704) 95.021,17.704 95.925,16.8 v2(111.176,16.8)
+VDC_INPUT: F1.1 J11.1 | length 4.7
  Bottom Layer w1: F1.1@5.512,67.666 7.442,65.735 J11.1@7.442,63.792
+VIN: C1.1 C2.1 C9.2 C10.2 C13.2 L1.3 U2.2 U4.1 | length 63.5
  Top Layer w0.508: 46.152,65.761 46.152,64.745 47.692,63.205 U2.2@49.243,63.205
  Top Layer w1: U4.1@20.547,56.998 17.399,56.998 16.891,57.506 C13.2@16.891,59.436 22.174,59.436 23.927,61.189 23.927,67.285 25.451,68.809 35.23,68.809 ; C10.2@32.944,66.167 34.976,66.167 ; C1.1@35.23,71.476 35.23,68.809 ; C9.2@37.262,66.167 34.976,66.167 ; 34.976,66.167 35.23,66.421 35.23,68.809
  Bottom Layer w1: L1.3@27.341,72.243 31.922,72.243 32.69,71.476 C1.1@35.23,71.476 C2.1@44.501,71.476
  other v1: 25.127,71.493 29.127,71.493 31.127,71.493 33.127,71.493 37.127,71.493 39.127,71.493 41.127,71.493
A: J10.1 R50.1 | length 6.5
  Top Layer w0.6: J10.1@7.417,7.772 10.287,7.772 11.659,6.401 R50.1@13.36,6.401
ADC_VIN_BAT: C54.2 D12.3 R57.2 R58.2 U6.9 | length 49.8
  Top Layer w0.3: v3(27.28,29.972) 28.448,31.14 28.448,32.893 29.185,33.63 32.893,33.63 33.706,32.817 44.171,32.817 46.025,34.671 46.257,34.904 U6.9@53.291,34.904
  Top Layer w0.5: R57.2@16.586,29.529 R58.2@18.72,29.529 19.674,29.529 20.091,29.947 v9(22.504,29.947) 23.165,29.286 23.165,25.476 22.423,24.734 D12.3@19.081,24.734
  Bottom Layer w0.5: v9(22.504,29.947) 27.254,29.947 v3(27.28,29.972)
B: J10.2 R52.1 | length 6.1
  Top Layer w0.6: J10.2@7.417,3.772 10.808,3.772 11.1,4.064 R52.1@13.36,4.064
Ctrl_PWR_GPS: R6.2 U6.50 | length 37
  Top Layer w0.3: U6.50@62.167,40.78 62.167,41.694 v2(62.56,42.088) ; R6.2@88.824,32.04 v2(88.824,33.401)
  Bottom Layer w0.3: v2(62.56,42.088) 87.503,42.088 88.824,40.767 v2(88.824,33.401)
Ctrl_PWR_GSM: R10.1 U6.62 | length 24.4
  Top Layer w0.3: v3(43.434,54.483) 43.434,55.677 R10.1@43.485,55.728 ; v2(55.778,49.022) 56.058,48.743 v2(56.058,47.498) ; U6.62@56.167,40.78 56.167,42.012 v2(56.261,42.106)
  Bottom Layer w0.4: v3(43.434,54.483) 46.634,54.483 52.095,49.022 v2(55.778,49.022) ; v2(56.058,47.498) 56.083,47.498 56.261,47.32 v2(56.261,42.106)
DATA_IN1: C53.1 R54.1 U6.8 U12.4 | length 33.6
  Top Layer w0.3: R54.1@25.959,34.773 33.045,34.773 34.315,33.503 43.79,33.503 45.691,35.404 U6.8@53.291,35.404
  Top Layer w0.5: U12.4@21.133,35.154 21.387,34.9 C53.1@23.8,34.9 24.892,34.9 25.019,34.773 R54.1@25.959,34.773
DHT11_IN: J16.2 R59.1 U6.10 | length 50.1
  Top Layer w0.3: v3(18.669,18.466) 20.648,18.466 27.051,24.868 27.03,24.889 27.03,28.58 30.582,32.131 44.298,32.131 46.57,34.404 U6.10@53.291,34.404
  Bottom Layer w0.5: R59.1@14.427,18.009 17.007,18.009 17.465,18.466 v3(18.669,18.466)
  Bottom Layer w0.9: J16.2@12.243,17.755 14.173,17.755 R59.1@14.427,18.009
DS18B20_IN: J15.2 R56.1 U6.11 | length 67.7
  Top Layer w0.3: v3(18.644,17.247) 20.32,17.247 27.605,24.532 27.605,28.367 30.632,31.394 44.399,31.394 46.908,33.904 U6.11@53.291,33.904
  Bottom Layer w0.5: J15.2@4.877,17.64 5.118,17.882 R56.1@7.442,17.882 7.442,13.538 10.185,10.795 13.919,10.795 15.189,12.065 15.189,15.291 15.951,16.053 17.45,16.053 v3(18.644,17.247)
Feedback_4V: R4.1 R7.2 U2.5 | length 4.8
  Top Layer w0.508: R7.2@51.663,58.242 R4.1@53.772,58.242 53.772,59.309 54.475,60.012 U2.5@54.475,60.665